# Allegro board SDHCalFEB.brd (continued)
## Routing (per net, layer and track width the routed paths; a pad name or vN(x,y) marks a point on that pad's centre or on a via; arc(x,y) is an arc through that point) (continued)
 ; v2(253.34,113.18) 252.91,113.18 ; v2(253.34,113.18) 253.77,113.18 ; 183.62,96.7 v2(183.62,97.13) ; v2(183.62,97.13) 183.18,97.13 ; v2(183.62,97.13) 183.62,97.56 ; v2(183.62,97.13) 184.05,97.13 ; 187.48,259.69 v2(187.91,259.69) ; v2(187.91,259.69) 188.34,259.69 ; v2(187.91,259.69) 187.91,260.12 ; v2(187.91,259.69) 187.91,259.26 ; v2(95.86,277.87) 95.86,278.3 ; v2(95.86,277.87) 95.86,277.43 ; v2(95.86,277.87) 95.43,277.87 ; v2(189.38,97.13) 189.38,97.56 ; v2(189.38,97.13) 188.95,97.13 ; v2(189.38,97.13) 189.81,97.13 ; v2(189.38,97.13) 189.38,96.7 ; v2(101.7,341.83) 102.13,341.83 ; v2(101.7,341.83) 101.7,342.27 ; v2(101.7,341.83) 101.7,341.4 ; v2(101.7,341.83) 101.27,341.83 ; v2(94.16,198.53) 94.59,198.53 ; v2(94.16,198.53) 94.16,198.96 ; v2(94.16,198.53) 93.73,198.53 ; v2(94.16,198.53) 94.16,198.09 ; 316.07,197.88 v2(316.07,199.07) ; v2(316.07,199.07) 317.4,199.07 ; v2(316.07,199.07) 314.75,199.07 ; J34.B19 v1(391.79,185.3) ; 355.37,347.04 v1(355.37,347.47) ; v1(355.37,347.47) 355.8,347.47 ; v1(355.37,347.47) 354.94,347.47 ; v1(355.37,347.47) 355.37,347.9 ; 233.4,35.89 v2(233.4,36.32) ; v2(233.4,36.32) 232.97,36.32 ; v2(233.4,36.32) 233.4,36.75 ; v2(233.4,36.32) 233.83,36.32 ; J68.2 26.92,26.43 ; J68.2 24.66,26.43 ; J68.2 25.79,25.3 ; J68.2 25.79,27.56 ; v2(157.96,278.38) 158.39,278.38 ; v2(157.96,278.38) 157.96,278.82 ; v2(157.96,278.38) 157.53,278.38 ; v2(157.96,278.38) 157.96,277.95 ; v2(160.25,39.27) 160.25,39.7 ; v2(160.25,39.27) 160.68,39.27 ; v2(160.25,39.27) 159.82,39.27 ; v2(160.25,39.27) 160.25,38.84 ; 33.35,175.08 v2(33.35,175.51) ; v2(33.35,175.51) 32.92,175.51 ; v2(33.35,175.51) 33.35,175.95 ; v2(33.35,175.51) 33.78,175.51 ; 271.6,175.73 J61.4 ; J61.4 272.73,174.6 ; J61.4 273.86,175.73 ; J61.4 272.73,176.86 ; v1(248.21,23.24) 248.64,23.24 ; v1(248.21,23.24) 248.21,22.81 ; v1(248.21,23.24) 248.21,23.67 ; v1(248.21,23.24) 247.78,23.24 ; J50.4 176,175.12 ; J50.4 174.87,173.99 ; J50.4 174.87,176.25 ; J50.4 173.74,175.12 ; v2(320.68,40.41) 320.68,40.84 ; v2(320.68,40.41) 320.24,40.41 ; v2(320.68,40.41) 320.68,39.98 ; v2(320.68,40.41) 321.11,40.41 ; v2(335.05,117.2) 335.05,117.63 ; v2(335.05,117.2) 334.62,117.2 ; v2(335.05,117.2) 335.05,116.76 ; v2(335.05,117.2) 335.48,117.2 ; v2(327.84,32.92) 328.27,32.92 ; v2(327.84,32.92) 327.84,32.49 ; v2(327.84,32.92) 327.41,32.92 ; v2(327.84,32.92) 327.84,33.35 ; J14.5 171.84,198.95 ; J14.5 170.71,200.08 ; J14.5 170.71,197.81 ; J14.5 169.58,198.95 ; 253.71,252.12 R1650.1 ; R1650.1 253.71,253.29 ; R1650.1 253.15,252.7 ; 171.91,98.75 v2(171.91,99.19) ; v2(171.91,99.19) 171.47,99.19 ; v2(171.91,99.19) 172.34,99.19 ; v2(171.91,99.19) 171.91,99.62 ; 329.22,194.07 J10.4 ; J10.4 331.48,194.07 ; J10.4 330.35,192.94 ; J10.4 330.35,195.2 ; J42.2 110.71,341.58 ; J42.2 109.58,340.45 ; J42.2 111.84,340.45 ; J42.2 110.71,339.32 ; 333.17,172.69 R1912.1 ; R1912.1 333.73,172.11 ; R1912.1 333.73,173.28 ; 328.17,120.62 v2(328.6,120.62) ; v2(328.6,120.62) 328.6,120.19 ; v2(328.6,120.62) 328.6,121.06 ; v2(328.6,120.62) 329.03,120.62 ; v1(178.69,22.48) 178.69,22.91 ; v1(178.69,22.48) 178.26,22.48 ; v1(178.69,22.48) 178.69,22.05 ; v1(178.69,22.48) 179.12,22.48 ; 41.02,345.92 v2(41.45,345.92) ; v2(41.45,345.92) 41.89,345.92 ; v2(41.45,345.92) 41.45,346.35 ; v2(41.45,345.92) 41.45,345.49 ; C1392.2 80.53,41.55 ; C1392.2 79.33,42.88 ; C1392.2 79.33,40.23 ; J34.A38 v1(394.88,209.43) ; 56.36,358.9 v1(56.36,359.33) ; v1(56.36,359.33) 55.93,359.33 ; v1(56.36,359.33) 56.79,359.33 ; v1(56.36,359.33) 56.36,359.77 ; 344.65,310.24 v2(344.65,310.67) ; v2(344.65,310.67) 344.22,310.67 ; v2(344.65,310.67) 344.65,311.1 ; v2(344.65,310.67) 345.08,310.67 ; R2238.1 101.18,82.78 ; 254.23,40.46 v2(254.66,40.46) ; v2(254.66,40.46) 254.66,40.03 ; v2(254.66,40.46) 255.09,40.46 ; v2(254.66,40.46) 254.66,40.89 ; 39.9,177.44 v2(39.9,177.88) ; v2(39.9,177.88) 40.34,177.88 ; v2(39.9,177.88) 39.47,177.88 ; v2(39.9,177.88) 39.9,178.31 ; 87.46,274.71 J8.4 ; J8.4 89.72,274.71 ; J8.4 88.59,273.58 ; J8.4 88.59,275.84 ; 339.1,249.52 J9.2 ; J9.2 340.23,248.39 ; J9.2 340.23,250.65 ; J9.2 341.36,249.52 ; v2(29.46,332.36) 29.9,332.36 ; v2(29.46,332.36) 29.03,332.36 ; v2(29.46,332.36) 29.46,331.93 ; v2(29.46,332.36) 29.46,332.79 ; v2(185.37,339.5) 185.8,339.5 ; v2(185.37,339.5) 185.37,339.06 ; v2(185.37,339.5) 184.94,339.5 ; v2(185.37,339.5) 185.37,339.93 ; 260.68,22.96 v1(260.68,23.39) ; v1(260.68,23.39) 260.68,23.83 ; v1(260.68,23.39) 260.25,23.39 ; v1(260.68,23.39) 261.11,23.39 ; 270.1,100.61 v2(270.54,100.61) ; v2(270.54,100.61) 270.97,100.61 ; v2(270.54,100.61) 270.54,100.18 ; v2(270.54,100.61) 270.54,101.04 ; v2(319.56,277.24) 319.56,277.67 ; v2(319.56,277.24) 319.13,277.24 ; v2(319.56,277.24) 319.56,276.81 ; v2(319.56,277.24) 319.99,277.24 ; J33.B7 v1(391.79,106.3) ; v2(39.19,170.46) 39.62,170.46 ; v2(39.19,170.46) 39.19,170.89 ; v2(39.19,170.46) 38.76,170.46 ; v2(39.19,170.46) 39.19,170.03 ; v2(181.81,174.8) 182.25,174.8 ; v2(181.81,174.8) 181.38,174.8 ; v2(181.81,174.8) 181.81,174.37 ; v2(181.81,174.8) 181.81,175.24 ; 170.05,192.43 v2(170.48,192.43) ; v2(170.48,192.43) 170.48,192 ; v2(170.48,192.43) 170.48,192.86 ; v2(170.48,192.43) 170.92,192.43 ; 106.88,254.48 v2(106.88,254.91) ; v2(106.88,254.91) 107.32,254.91 ; v2(106.88,254.91) 106.88,255.35 ; v2(106.88,254.91) 106.45,254.91 ; 237.24,117.14 v2(237.24,117.58) ; v2(237.24,117.58) 237.24,118.01 ; v2(237.24,117.58) 237.67,117.58 ; v2(237.24,117.58) 236.8,117.58 ; v2(107.7,165.91) 108.13,165.91 ; v2(107.7,165.91) 107.7,166.35 ; v2(107.7,165.91) 107.26,165.91 ; v2(107.7,165.91) 107.7,165.48 ; v2(93.8,256.18) 94.23,256.18 ; v2(93.8,256.18) 93.8,255.75 ; v2(93.8,256.18) 93.8,256.62 ; v2(93.8,256.18) 93.37,256.18 ; v2(341.5,86.13) 341.94,86.13 ; v2(341.5,86.13) 341.07,86.13 ; v2(341.5,86.13) 341.5,85.7 ; v2(341.5,86.13) 341.5,86.56 ; J63.4 32,255.21 ; J63.4 30.87,254.08 ; J63.4 29.74,255.21 ; J63.4 30.87,256.34 ; v2(251.36,32.46) 251.79,32.46 ; v2(251.36,32.46) 251.36,32.03 ; v2(251.36,32.46) 251.36,32.89 ; v2(251.36,32.46) 250.93,32.46 ; R1236.2 173.02,88.37 ; 111.86,255.04 v2(112.29,255.04) ; v2(112.29,255.04) 112.29,255.47 ; v2(112.29,255.04) 112.29,254.61 ; v2(112.29,255.04) 112.73,255.04 ; v2(92.38,119.02) 92.81,119.02 ; v2(92.38,119.02) 91.95,119.02 ; v2(92.38,119.02) 92.38,119.46 ; v2(92.38,119.02) 92.38,118.59 ; J66.4 33.11,174.8 ; J66.4 34.24,173.67 ; J66.4 31.98,173.67 ; J66.4 33.11,172.54 ; 175.36,272.29 J6.3 ; J6.3 176.49,273.42 ; J6.3 175.36,274.55 ; J6.3 174.23,273.42 ; v2(103.07,97.76) 103.51,97.76 ; v2(103.07,97.76) 103.07,97.33 ; v2(103.07,97.76) 103.07,98.2 ; v2(103.07,97.76) 102.64,97.76 ; v2(259.26,173.23) 259.26,173.66 ; v2(259.26,173.23) 259.26,172.8 ; v2(259.26,173.23) 259.69,173.23 ; v2(259.26,173.23) 258.83,173.23 ; 252.56,89.32 J27.5 ; J27.5 253.69,88.19 ; J27.5 254.82,89.32 ; J27.5 253.69,90.45 ; 95.43,279.17 v2(95.86,279.17) ; v2(95.86,279.17) 95.86,278.73 ; v2(95.86,279.17) 95.86,279.6 ; 31.05,266.85 C345.2 ; C345.2 29.86,268.17 ; C345.2 31.05,269.49 ; 96.37,249.22 v2(96.8,249.22) ; v2(96.8,249.22) 97.23,249.22 ; v2(96.8,249.22) 96.8,248.79 ; v2(96.8,249.22) 96.8,249.66 ; J41.5 186.09,342.29 ; J41.5 184.96,341.16 ; J41.5 186.09,340.03 ; J41.5 187.22,341.16 ; 28.35,96.14 v2(28.78,96.14) ; v2(28.78,96.14) 28.78,96.57 ; v2(28.78,96.14) 28.78,95.71 ; v2(28.78,96.14) 29.21,96.14 ; 92.28,33.43 v2(92.28,33.86) ; v2(92.28,33.86) 92.28,34.29 ; v2(92.28,33.86) 92.71,33.86 ; v2(92.28,33.86) 91.85,33.86 ; 253.24,181.63 R1873.1 253.24,182.8 ; J43.3 32.42,335.23 ; J43.3 32.42,332.97 ; J43.3 33.55,334.1 ; J43.3 31.29,334.1 ; v2(332,277.5) 332,277.93 ; v2(332,277.5) 332,277.06 ; v2(332,277.5) 331.57,277.5 ; v2(332,277.5) 332.44,277.5 ; 103.56,102.44 v2(103.99,102.44) ; v2(103.99,102.44) 103.99,102.01 ; v2(103.99,102.44) 104.42,102.44 ; v2(103.99,102.44) 103.99,102.87 ; v2(102.34,256.08) 102.77,256.08 ; v2(102.34,256.08) 102.34,256.52 ; v2(102.34,256.08) 102.34,255.65 ; v2(102.34,256.08) 101.9,256.08 ; 314.2,341.65 v2(314.2,342.09) ; v2(314.2,342.09) 314.2,342.52 ; v2(314.2,342.09) 313.77,342.09 ; v2(314.2,342.09) 314.63,342.09 ; 93.72,92.12 R2179.1 ; R2179.1 93.72,93.29 ; R2179.1 93.16,92.71 ; v2(341.12,313.13) 341.12,313.56 ; v2(341.12,313.13) 341.12,312.7 ; v2(341.12,313.13) 340.69,313.13 ; v2(341.12,313.13) 341.55,313.13 ; 319.33,117.3 v2(319.33,117.73) ; v2(319.33,117.73) 319.33,118.16 ; v2(319.33,117.73) 319.76,117.73 ; v2(319.33,117.73) 318.9,117.73 ; v2(332.84,178.82) 332.84,179.25 ; v2(332.84,178.82) 333.27,178.82 ; v2(332.84,178.82) 332.41,178.82 ; v2(332.84,178.82) 332.84,178.38 ; 191.13,259.79 v2(191.57,259.79) ; v2(191.57,259.79) 191.57,260.22 ; v2(191.57,259.79) 192,259.79 ; v2(191.57,259.79) 191.57,259.36 ; v1(186.61,26.24) 186.61,26.67 ; v1(186.61,26.24) 186.61,25.81 ; v1(186.61,26.24) 186.18,26.24 ; v1(186.61,26.24) 187.05,26.24 ; 262.53,179.88 v2(262.53,180.31) ; v2(262.53,180.31) 262.1,180.31 ; v2(262.53,180.31) 262.53,180.75 ; v2(262.53,180.31) 262.97,180.31 ; J66.3 37.86,174.8 ; J66.3 36.73,173.67 ; J66.3 37.86,172.54 ; J66.3 38.99,173.67 ; 100.08,25.2 v1(100.51,25.2) ; v1(100.51,25.2) 100.94,25.2 ; v1(100.51,25.2) 100.51,25.63 ; v1(100.51,25.2) 100.51,24.76 ; v2(96.44,200.69) 96.88,200.69 ; v2(96.44,200.69) 96.44,200.25 ; v2(96.44,200.69) 96.01,200.69 ; v2(96.44,200.69) 96.44,201.12 ; J4.4 251.27,273.98 ; J4.4 252.4,272.85 ; J4.4 251.27,271.72 ; J4.4 250.14,272.85 ; v2(333.35,33.76) 333.78,33.76 ; v2(333.35,33.76) 333.35,33.32 ; v2(333.35,33.76) 332.92,33.76 ; v2(333.35,33.76) 333.35,34.19 ; v2(336.02,162.86) 336.45,162.86 ; v2(336.02,162.86) 336.02,163.3 ; v2(336.02,162.86) 336.02,162.43 ; v2(336.02,162.86) 335.58,162.86 ; 107.65,181.61 R1898.1 ; v2(33.07,37.59) 33.07,38.02 ; v2(33.07,37.59) 32.64,37.59 ; v2(33.07,37.59) 33.07,37.16 ; v2(33.07,37.59) 33.5,37.59 ; v2(259.33,246.63) 259.33,247.07 ; v2(259.33,246.63) 259.33,246.2 ; v2(259.33,246.63) 259.77,246.63 ; v2(259.33,246.63) 258.9,246.63 ; v2(176.33,36.45) 176.76,36.45 ; v2(176.33,36.45) 176.33,36.02 ; v2(176.33,36.45) 175.89,36.45 ; v2(176.33,36.45) 176.33,36.88 ; J44.5 336.75,267.76 ; J44.5 335.62,266.63 ; J44.5 334.49,267.76 ; J44.5 335.62,268.89 ; v2(173.2,40.36) 173.2,40.79 ; v2(173.2,40.36) 173.2,39.93 ; v2(173.2,40.36) 173.63,40.36 ; v2(173.2,40.36) 172.77,40.36 ; v2(233.76,198.04) 234.19,198.04 ; v2(233.76,198.04) 233.76,197.61 ; v2(233.76,198.04) 233.32,198.04 ; v2(233.76,198.04) 233.76,198.48 ; 337.67,83.84 v2(337.67,84.28) ; v2(337.67,84.28) 337.67,84.71 ; v2(337.67,84.28) 337.24,84.28 ; v2(337.67,84.28) 338.1,84.28 ; v2(314.35,276.94) 314.78,276.94 ; v2(314.35,276.94) 314.35,276.5 ; v2(314.35,276.94) 313.92,276.94 ; v2(314.35,276.94) 314.35,277.37 ; J34.A36 v1(394.88,206.89) ; 319.4,20.24 v1(319.84,20.24) ; v1(319.84,20.24) 320.27,20.24 ; v1(319.84,20.24) 319.84,19.81 ; v1(319.84,20.24) 319.84,20.68 ; 96.44,325.22 v2(96.88,325.22) ; v2(96.88,325.22) 96.88,324.79 ; v2(96.88,325.22) 96.88,325.65 ; v2(96.88,325.22) 97.31,325.22 ; 62.23,258.5 v2(62.23,258.93) ; v2(62.23,258.93) 62.23,259.36 ; v2(62.23,258.93) 61.8,258.93 ; v2(62.23,258.93) 62.66,258.93 ; v2(174.7,82.85) 174.7,83.29 ; v2(174.7,82.85) 175.13,82.85 ; v2(174.7,82.85) 174.7,82.42 ; v2(174.7,82.85) 174.27,82.85 ; 362.31,153.97 v2(362.74,153.97) ; v2(362.74,153.97) 362.74,153.54 ; v2(362.74,153.97) 362.74,154.41 ; v2(362.74,153.97) 363.17,153.97 ; v1(58.9,359.33) 58.9,359.77 ; v1(58.9,359.33) 58.47,359.33 ; v1(58.9,359.33) 59.33,359.33 ; v1(58.9,359.33) 58.9,358.9 ; v2(363.58,137.97) 364.01,137.97 ; v2(363.58,137.97) 363.58,138.41 ; v2(363.58,137.97) 363.14,137.97 ; v2(363.58,137.97) 363.58,137.54 ; v2(146.48,343.31) 146.48,343.74 ; v2(146.48,343.31) 146.48,342.87 ; v2(146.48,343.31) 146.05,343.31 ; v2(146.48,343.31) 146.91,343.31 ; 254.3,180.05 J49.5 ; J49.5 255.44,178.92 ; J49.5 256.57,180.05 ; J49.5 255.44,181.18 ; 269.7,327.13 v2(270.13,327.13) ; v2(270.13,327.13) 270.56,327.13 ; v2(270.13,327.13) 270.13,326.69 ; v2(270.13,327.13) 270.13,327.56 ; J39.5 39.71,346.43 ; J39.5 39.71,344.17 ; J39.5 40.84,345.3 ; J39.5 38.58,345.3 ; v2(333.68,276.1) 334.11,276.1 ; v2(333.68,276.1) 333.68,275.67 ; v2(333.68,276.1) 333.25,276.1 ; v2(333.68,276.1) 333.68,276.53 ; J41.4 186.09,337.54 ; J41.4 184.96,336.41 ; J41.4 186.09,335.28 ; J41.4 187.22,336.41 ; v2(100.63,163.58) 100.63,164.01 ; v2(100.63,163.58) 101.07,163.58 ; v2(100.63,163.58) 100.2,163.58 ; v2(100.63,163.58) 100.63,163.14 ; 222.07,339.08 J37.5 ; J37.5 223.2,337.95 ; J37.5 224.33,339.08 ; J37.5 223.2,340.21 ; v2(271.4,173.71) 271.4,174.14 ; v2(271.4,173.71) 270.97,173.71 ; v2(271.4,173.71) 271.4,173.28 ; 366.52,209.96 v2(366.52,210.39) ; v2(366.52,210.39) 366.95,210.39 ; v2(366.52,210.39) 366.52,210.82 ; v2(366.52,210.39) 366.09,210.39 ; 360.45,186 v1(360.88,186) ; v1(360.88,186) 360.88,185.57 ; v1(360.88,186) 361.32,186 ; v1(360.88,186) 360.88,186.44 ; C1441.2 361.43,169.11 ; C1216.2 183.1,34.72 ; C1216.2 183.1,32.08 ; C1216.2 181.91,33.4 ; 95.43,276.07 v2(95.43,276.5) ; v2(95.43,276.5) 95,276.5 ; v2(95.43,276.5) 95.86,276.5 ; v2(95.43,276.5) 95.43,276.94 ; v2(338.76,256.06) 339.19,256.06 ; v2(338.76,256.06) 338.33,256.06 ; v2(338.76,256.06) 338.76,255.63 ; 27.64,97.05 v2(27.64,97.49) ; v2(27.64,97.49) 28.07,97.49 ; v2(27.64,97.49) 27.2,97.49 ; v2(27.64,97.49) 27.64,97.92 ; J2.5 329.28,278.96 ; J2.5 329.28,276.7 ; J2.5 328.15,277.83 ; J2.5 330.41,277.83 ; v2(330.02,41.2) 330.45,41.2 ; v2(330.02,41.2) 329.59,41.2 ; v2(330.02,41.2) 330.02,40.77 ; v2(330.02,41.2) 330.02,41.63 ; C1426.2 357.68,185.12 ; C1426.2 356.36,183.92 ; C1426.2 359,183.92 ; 108.71,339.8 v2(108.71,340.23) ; v2(108.71,340.23) 108.71,340.67 ; v2(108.71,340.23) 109.14,340.23 ; v2(108.71,340.23) 108.28,340.23 ; 335.84,278.99 v2(335.84,279.43) ; v2(335.84,279.43) 335.41,279.43 ; v2(335.84,279.43) 336.27,279.43 ; v2(335.84,279.43) 335.84,279.86 ; 293.45,342.09 v2(293.88,342.09) ; v2(293.88,342.09) 293.88,342.52 ; v2(293.88,342.09) 294.31,342.09 ; v2(293.88,342.09) 293.88,341.65 ; v2(44.02,342.32) 44.45,342.32 ; v2(44.02,342.32) 44.02,342.75 ; v2(44.02,342.32) 44.02,341.88 ; v2(44.02,342.32) 43.59,342.32 ; 177.39,199.54 v2(177.39,199.97) ; v2(177.39,199.97) 176.96,199.97 ; v2(177.39,199.97) 177.39,200.4 ; v2(92.89,289.64) 93.32,289.64 ; v2(92.89,289.64) 92.46,289.64 ; v2(92.89,289.64) 92.89,290.07 ; v2(92.89,289.64) 92.89,289.2 ; 163.35,354 v1(163.35,354.43) ; v1(163.35,354.43) 162.92,354.43 ; v1(163.35,354.43) 163.35,354.86 ; v1(163.35,354.43) 163.78,354.43 ; J39.2 45.59,345.3 ; J39.2 44.46,344.17 ; J39.2 44.46,346.43 ; J39.2 43.33,345.3 ; 334.96,173.97 J48.4 ; J48.4 336.09,175.1 ; J48.4 333.83,175.1 ; J48.4 334.96,176.23 ; 94.79,31.67 v2(95.22,31.67) ; v2(95.22,31.67) 95.22,31.24 ; v2(95.22,31.67) 95.66,31.67 ; v2(95.22,31.67) 95.22,32.11 ; v2(172.49,198.42) 172.49,198.86 ; v2(172.49,198.42) 172.49,197.99 ; v2(172.49,198.42) 172.06,198.42 ; v2(172.49,198.42) 172.92,198.42 ; 100.61,164.26 v2(100.61,164.69) ; v2(100.61,164.69) 101.04,164.69 ; v2(100.61,164.69) 100.18,164.69 ; v2(100.61,164.69) 100.61,165.13 ; C1455.2 65.05,357.05 ; C1455.2 63.73,358.24 ; C1455.2 62.41,357.05 ; J35.B21 v1(391.79,251.59) ; 94.24,113.58 J24.3 ; J24.3 96.5,113.58 ; J24.3 95.37,114.71 ; J24.3 95.37,112.45 ; v2(346.84,319.48) 347.27,319.48 ; v2(346.84,319.48) 346.84,319.91 ; v2(346.84,319.48) 346.4,319.48 ; v2(346.84,319.48) 346.84,319.05 ; 191.37,253.24 v2(191.37,253.67) ; v2(191.37,253.67) 191.37,254.11 ; v2(191.37,253.67) 190.94,253.67 ; v2(171.88,112.47) 171.88,112.9 ; v2(171.88,112.47) 172.31,112.47 ; v2(171.88,112.47) 171.88,112.04 ; v2(171.88,112.47) 171.45,112.47 ; v1(173.08,351.33) 173.08,351.77 ; v1(173.08,351.33) 172.64,351.33 ; v1(173.08,351.33) 173.51,351.33 ; v1(173.08,351.33) 173.08,350.9 ; 328.28,198.73 v2(327.85,198.73) 327.85,199.16 ; v2(339.98,258.29) 339.98,258.72 ; v2(339.98,258.29) 340.41,258.29 ; v2(339.98,258.29) 339.98,257.86 ; v2(339.98,258.29) 339.55,258.29 ; 170.99,39.95 v2(170.99,40.39) ; v2(170.99,40.39) 171.43,40.39 ; v2(170.99,40.39) 170.99,40.82 ; v2(170.99,40.39) 170.56,40.39 ; 194.21,259.18 v2(194.21,259.61) ; v2(194.21,259.61) 194.64,259.61 ; v2(194.21,259.61) 193.78,259.61 ; 104.13,334.01 v2(104.56,334.01) ; v2(104.56,334.01) 104.99,334.01 ; v2(104.56,334.01) 104.56,334.44 ; v2(267.41,163.88) 267.41,164.31 ; v2(267.41,163.88) 267.84,163.88 ; v2(267.41,163.88) 266.98,163.88 ; v2(267.41,163.88) 267.41,163.45 ; 112.19,95.22 v2(112.62,95.22) ; v2(112.62,95.22) 112.62,95.66 ; v2(112.62,95.22) 113.06,95.22 ; v2(268.4,324.69) 268.4,325.12 ; v2(268.4,324.69) 267.97,324.69 ; v2(268.4,324.69) 268.83,324.69 ; v2(268.4,324.69) 268.4,324.26 ; 93.75,288.52 v2(94.18,288.52) ; v2(94.18,288.52) 94.18,288.95 ; v2(94.18,288.52) 94.62,288.52 ; v2(94.18,288.52) 94.18,288.09 ; v2(95.83,322.76) 95.83,323.19 ; v2(95.83,322.76) 95.4,322.76 ; v2(95.83,322.76) 95.83,322.33 ; v2(95.83,322.76) 96.27,322.76 ; 143.21,337.21 v2(143.21,337.64) ; v2(143.21,337.64) 142.77,337.64 ; v2(143.21,337.64) 143.64,337.64 ; v2(143.21,337.64) 143.21,338.07 ; v2(265.88,174.04) 266.31,174.04 ; v2(265.88,174.04) 265.45,174.04 ; v2(265.88,174.04) 265.88,174.47 ; 275.41,182.64 v2(275.41,183.07) 274.98,183.07 ; 281.03,347.42 v1(281.03,347.85) ; v1(281.03,347.85) 281.46,347.85 ; v1(281.03,347.85) 280.59,347.85 ; v1(281.03,347.85) 281.03,348.29 ; v2(175.18,181.66) 175.62,181.66 ; v2(175.18,181.66) 175.18,181.23 ; v2(175.18,181.66) 174.75,181.66 ; v2(175.18,181.66) 175.18,182.09 ; v2(256.87,249.12) 257.3,249.12 ; v2(256.87,249.12) 256.87,249.56 ; v2(256.87,249.12) 256.87,248.69 ; v2(256.87,249.12) 256.44,249.12 ; v2(362.53,157.99) 362.53,158.42 ; v2(362.53,157.99) 362.97,157.99 ; v2(362.53,157.99) 362.1,157.99 ; v2(362.53,157.99) 362.53,157.56 ; 153.49,197.76 v2(153.49,198.2) ; v2(153.49,198.2) 153.06,198.2 ; v2(153.49,198.2) 153.92,198.2 ; v2(153.49,198.2) 153.49,198.63 ; 249.01,198.68 v2(248.57,198.68) 248.57,199.11 ; C1131.2 320.2,42.16 ; C1131.2 319.01,40.84 ; C1131.2 319.01,43.49 ; v2(101.73,180.77) 101.73,181.2 ; v2(101.73,180.77) 101.29,180.77 ; v2(101.73,180.77) 102.16,180.77 ; v2(101.73,180.77) 101.73,180.34 ; 105.08,95.53 v2(105.51,95.53) ; v2(105.51,95.53) 105.51,95.96 ; v2(105.51,95.53) 105.94,95.53 ; v2(105.51,95.53) 105.51,95.1 ; 321.41,20.27 v1(321.84,20.27) ; v1(321.84,20.27) 321.84,20.7 ; v1(321.84,20.27) 321.84,19.84 ; v1(321.84,20.27) 322.28,20.27 ; 338.15,267.26 v2(338.58,267.26) ; v2(338.58,267.26) 339.01,267.26 ; v2(338.58,267.26) 338.58,266.83 ; v2(338.58,267.26) 338.58,267.69 ; 253.54,193.45 v2(253.97,193.45) ; v2(253.97,193.45) 253.97,193.01 ; v2(253.97,193.45) 253.97,193.88 ; v2(253.97,193.45) 254.41,193.45 ; 173.99,243.61 J13.4 ; J13.4 173.99,245.87 ; J13.4 175.12,244.74 ; J13.4 172.86,244.74 ; v2(338.33,249.28) 338.76,249.28 ; v2(338.33,249.28) 338.33,249.71 ; v2(338.33,249.28) 337.9,249.28 ; v2(338.33,249.28) 338.33,248.84 ; 92,38.71 v2(92.43,38.71) ; v2(92.43,38.71) 92.86,38.71 ; v2(92.43,38.71) 92.43,39.14 ; v2(92.43,38.71) 92.43,38.28 ; 94.56,116.64 v2(95,116.64) ; v2(95,116.64) 95,117.07 ; v2(95,116.64) 95,116.2 ; v2(95,116.64) 95.43,116.64 ; 253.32,165.32 J19.4 ; J19.4 255.58,165.32 ; J19.4 254.45,166.45 ; J19.4 254.45,164.19 ; v2(96.49,175.62) 96.93,175.62 ; v2(96.49,175.62) 96.49,176.05 ; v2(96.49,175.62) 96.06,175.62 ; v2(96.49,175.62) 96.49,175.18 ; v2(190.45,338.23) 190.45,338.66 ; v2(190.45,338.23) 190.88,338.23 ; v2(190.45,338.23) 190.02,338.23 ; v2(190.45,338.23) 190.45,337.79 ; J34.B37 v1(391.79,208.16) ; 186.99,163.91 v2(187.43,163.91) ; v2(187.43,163.91) 187.43,163.47 ; v2(187.43,163.91) 187.43,164.34 ; v2(187.43,163.91) 187.86,163.91 ; v2(338.76,259.31) 338.76,259.74 ; v2(338.76,259.31) 339.19,259.31 ; v2(338.76,259.31) 338.33,259.31 ; C957.2 157.07,118.76 ; C957.2 155.75,117.57 ; C957.2 154.43,118.76 ; v2(262.2,174.02) 262.2,174.45 ; v2(262.2,174.02) 262.64,174.02 ; v2(262.2,174.02) 261.77,174.02 ; 31.9,336.83 v2(31.9,337.26) ; v2(31.9,337.26) 31.47,337.26 ; v2(31.9,337.26) 32.33,337.26 ; v2(31.9,337.26) 31.9,337.69 ; v2(174.04,263.68) 174.47,263.68 ; v2(174.04,263.68) 174.04,264.11 ; v2(174.04,263.68) 174.04,263.25 ; v2(174.04,263.68) 173.61,263.68 ; v2(104.78,100.25) 104.78,100.69 ; v2(104.78,100.25) 